# Altium PCB Main_Board.PcbDoc (part 3 of 3)
Units mil, origin at the board's own origin, x right, y up, seen from the top; angles counter-clockwise.
Board outline 5511.81 x 7874.02 mil, 2 copper layers (Top Layer, Bottom Layer); 358 components, 312 nets, 1221 pads, 226 vias.
Unrouted connection lines stored in the file: 6.
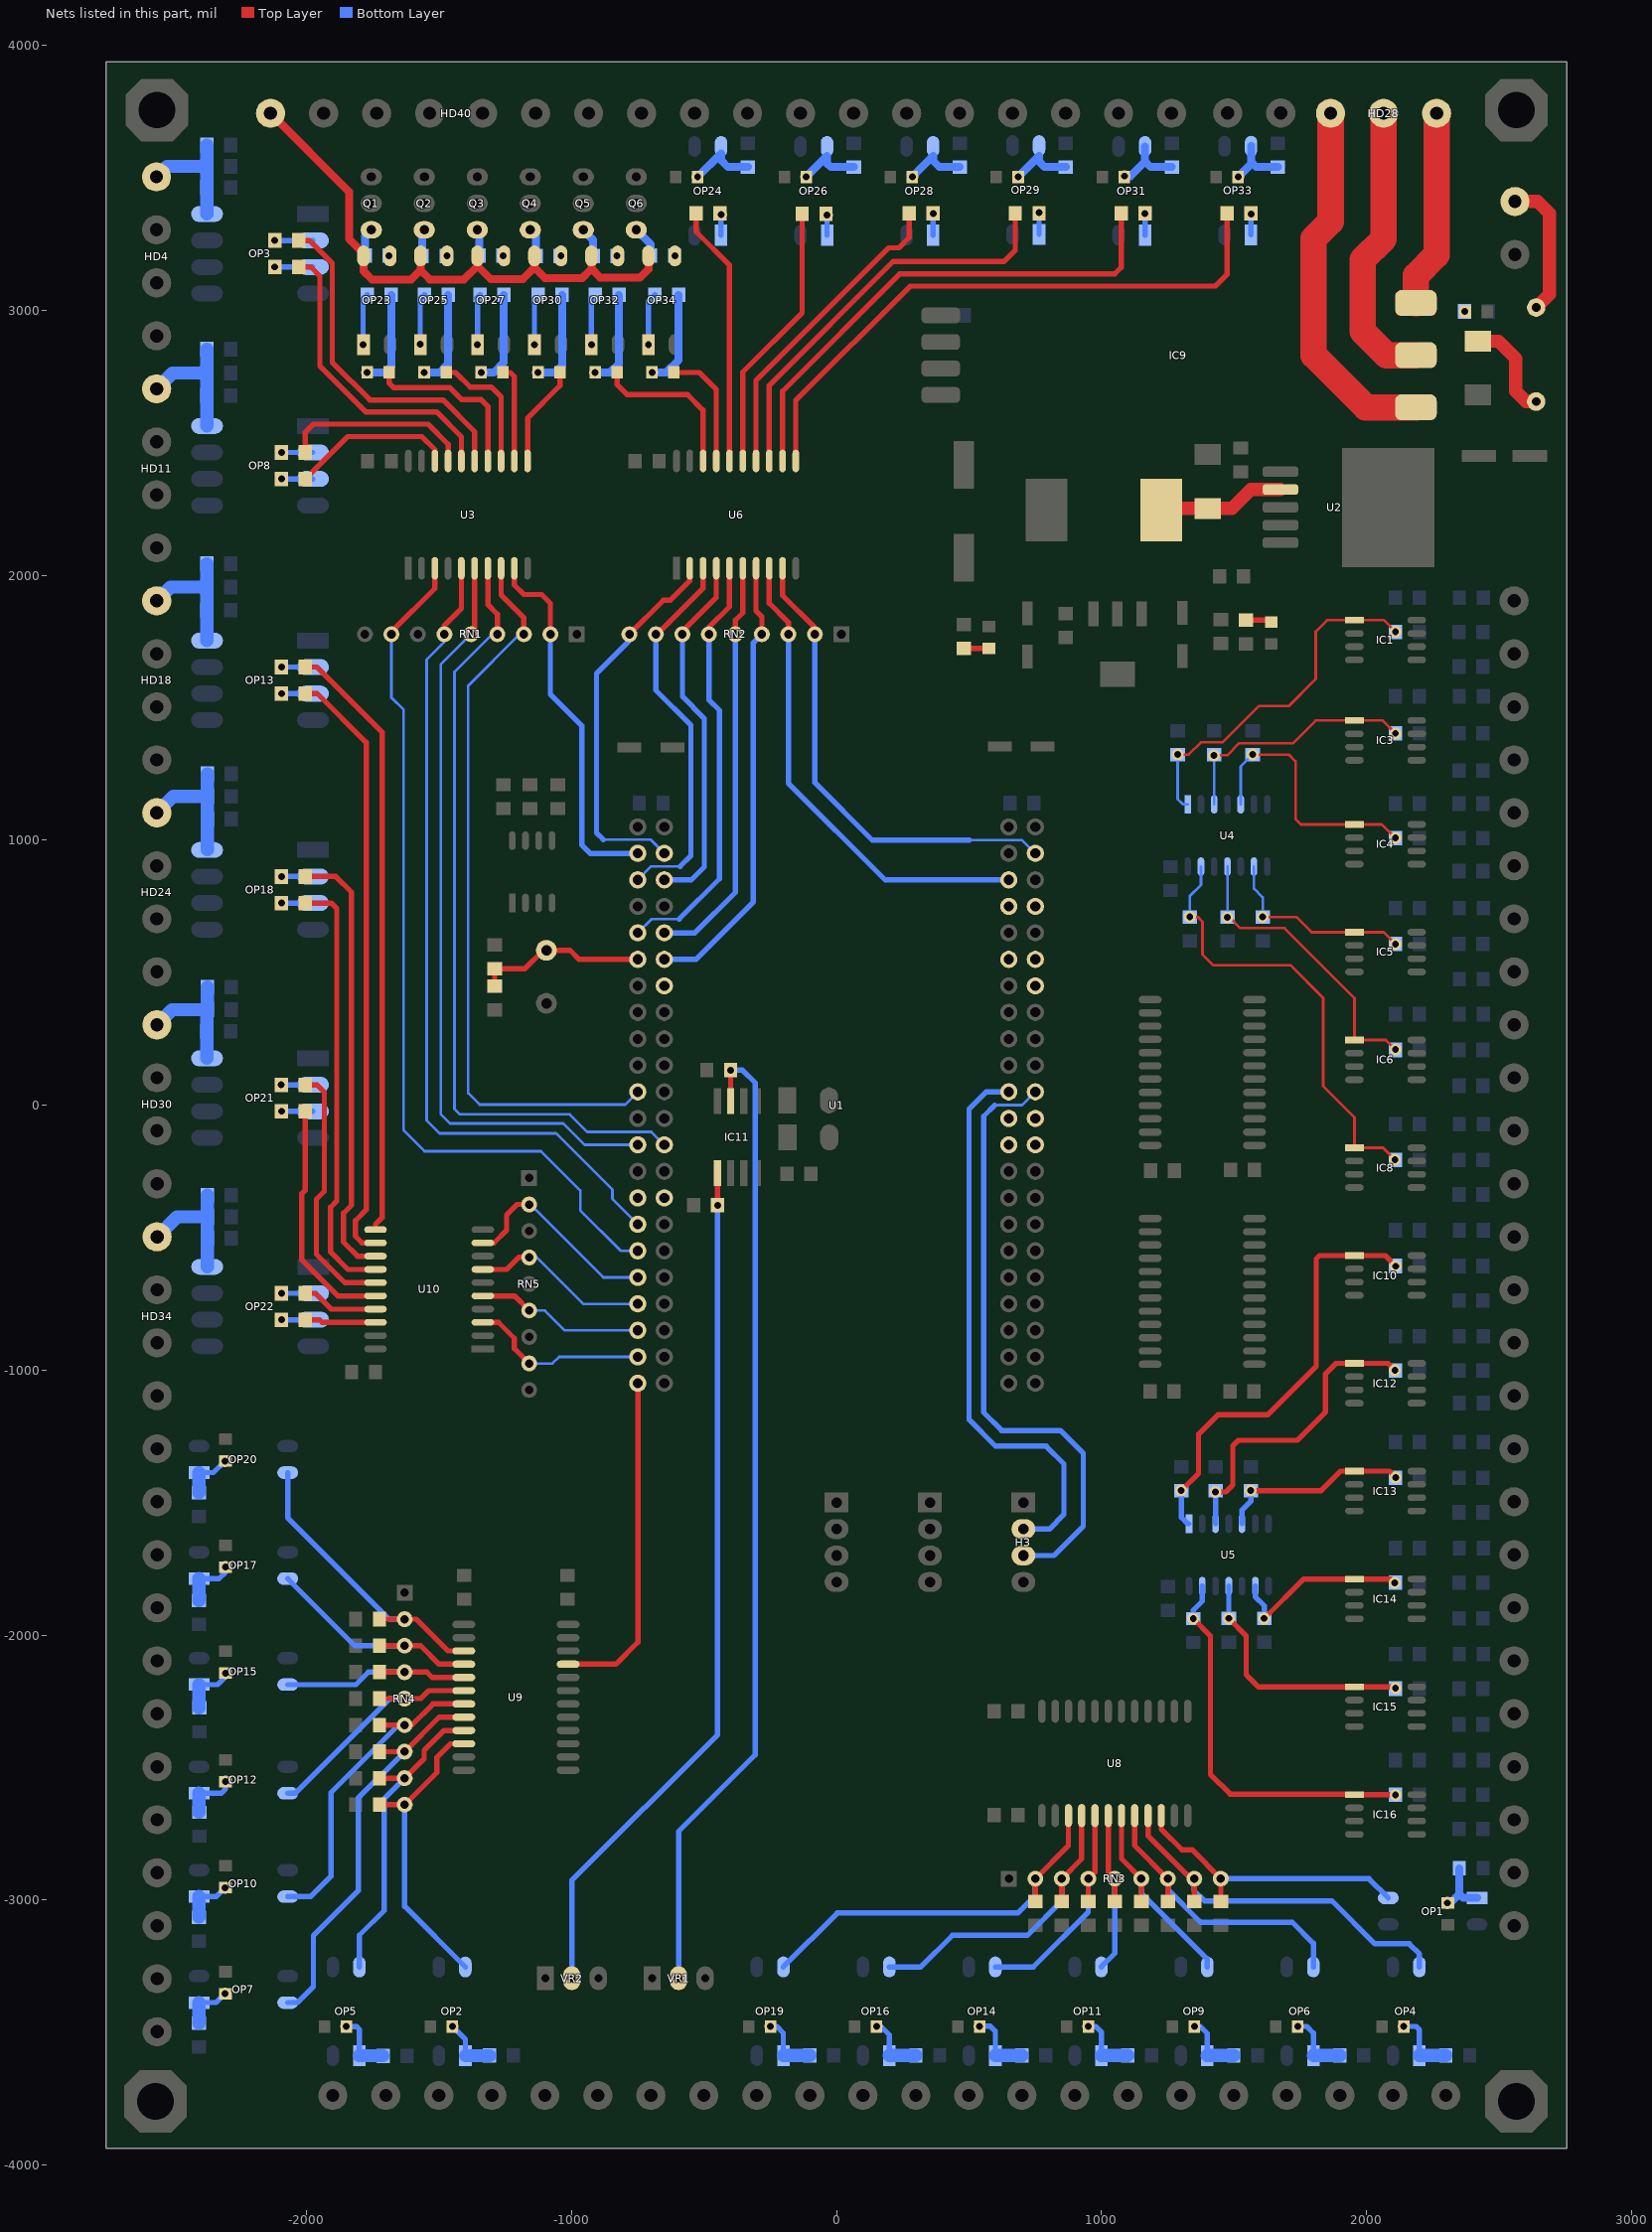
[diagram p3: the nets of this part, all layers, seen from the top]

## Via types
v1: diameter 45, hole 26, Top Layer to Bottom Layer, 226 vias

## Nets (pads, with @x,y where several pads share a name; then routed paths per layer and width w, separated by ;. In a path a pad name is that pad's centre, name@x,y a point inside that pad or via, vN(x,y) a via of type N, cw(c..) or ccw(c..) an arc to the next point about the centre after c; other vN are vias at no path point) (continued)
IN_15: U1.22 U9.21 | length 1274.5
  Top Layer w20: U9.21@-1013.15,-2110 -833,-2110 -750,-2027 U1.22@-750,-1050
NetC71_2: C71.2 IC11.3 VR1.2 | length 3728.8
  Top Layer w20: IC11.3@-400,14.83 v1(-400,132)
  Bottom Layer w20: VR1.2@-596,-3295 -596,-2741 -307,-2452 -307,84 -355,132 v1(-400,132)
NetC81_2: C81.2 IC11.5 VR2.2 | length 3265
  Top Layer w20: C81.2@-450,-372 IC11.5@-450,-256.83 ; v1(-449,-378) C81.2@-449,-373
  Bottom Layer w20: VR2.2@-999,-3295 -999,-2926 -449,-2376 v1(-449,-378)
NetD1_1: D1.1 F1.2 | length 386.5
  Top Layer w50: D1.1@2420.01,2882.99 2497.01,2882.99 2562.5,2817.5 2562.5,2694.5 2602,2655 F1.2@2640,2655
NetD2_2: D2.2 OP1.1 R1.1 | length 228.9
  Bottom Layer w30: v1(2305,-3011) 2316,-3011 2350,-2977 ; R1.1@2350,-2880 2350,-2977 ; OP1.1@2416.59,-2992.01 2365.01,-2992.01 2350,-2977
NetD3_2: D3.2 OP2.1 R2.1 | length 220.7
  Bottom Layer w20: v1(-1449.57,-3477.4) -1400.91,-3526.06 OP2.1@-1400.91,-3587.4
  Bottom Layer w50: OP2.1@-1400.91,-3587.4 R2.1@-1310.4,-3587.4
NetD4_1: D4.1 L1.1 U2.2 | length 472.4
  Top Layer w50: L1.1@1232.01,2252.01 D4.1@1399.99,2252.01 1492.01,2252.01 1563.07,2323.07 U2.2@1675,2323.07
NetD5_2: D5.2 OP4.1 R9.1 | length 261
  Bottom Layer w20: v1(2140.43,-3477.01) 2186.01,-3477.01 2199.09,-3490.09 OP4.1@2199.09,-3587.01
  Bottom Layer w50: OP4.1@2199.09,-3587.01 R9.1@2299.1,-3587.01
NetD6_2: D6.2 OP5.1 R10.1 | length 243.4
  Top Layer w20: v1(-1850.4,-3477.4) D6.2@-1849.57,-3477.4
  Bottom Layer w20: v1(-1850.4,-3477.4) -1811.6,-3477.4 -1800.91,-3488.09 OP5.1@-1800.91,-3587.4
  Bottom Layer w50: OP5.1@-1800.91,-3587.4 R10.1@-1711.6,-3587.4
NetD7_1: D7.1 R11.2 | length 95
  Top Layer w20: R11.2@480,1723.66 D7.1@575,1723.66
NetD8_1: D8.1 R12.2
  other v1: 2370,2995
NetD9_1: D9.1 R13.2 | length 87.7
  Top Layer w20: R13.2@1545,1830 D9.1@1632.68,1830
NetD10_2: D10.2 OP6.1 R15.1 | length 254
  Bottom Layer w20: v1(1740.43,-3477.01) 1774.01,-3477.01 1799.09,-3502.09 OP6.1@1799.09,-3587.01
  Bottom Layer w50: OP6.1@1799.09,-3587.01 R15.1@1899.09,-3587.01
NetD11_2: D11.2 OP7.1 R16.1 | length 191
  Top Layer w20: v1(-2308.65,-3353.35) D11.2@-2305.91,-3353.35
  Bottom Layer w20: OP7.1@-2406,-3387.1 -2342.41,-3387.1 v1(-2308.65,-3353.35)
  Bottom Layer w50: R16.1@-2406,-3464 OP7.1@-2406,-3387.1
NetD12_2: D12.2 OP9.1 R23.1 | length 242.8
  Bottom Layer w20: v1(1350.43,-3477.01) 1372.01,-3477.01 1399.09,-3504.09 OP9.1@1399.09,-3587.01
  Bottom Layer w50: OP9.1@1399.09,-3587.01 R23.1@1499.1,-3587.01
NetD13_2: D13.2 OP10.1 R24.1 | length 190.8
  Top Layer w20: v1(-2307.35,-2953.35) D13.2@-2305.91,-2953.35
  Bottom Layer w20: OP10.1@-2405.91,-2987.01 -2341.01,-2987.01 v1(-2307.35,-2953.35)
  Bottom Layer w50: R24.1@-2405.91,-3063.91 OP10.1@-2405.91,-2987.01
NetD14_2: D14.2 OP11.1 R27.1 | length 246.3
  Bottom Layer w20: v1(950.43,-3477.01) 978.01,-3477.01 999.09,-3498.09 OP11.1@999.09,-3587.01
  Bottom Layer w50: OP11.1@999.09,-3587.01 R27.1@1099.1,-3587.01
NetD15_2: D15.2 OP12.1 R28.1 | length 205.3
  Bottom Layer w20: OP12.1@-2405.91,-2597.01 -2322.01,-2597.01 -2305.91,-2580.91 v1(-2305.91,-2553.35)
  Bottom Layer w50: R28.1@-2405.91,-2668.09 OP12.1@-2405.91,-2597.01
NetD16_2: D16.2 OP14.1 R33.1 | length 260.9
  Top Layer w20: v1(539.43,-3476) D16.2@540.43,-3477.01
  Bottom Layer w20: v1(539.43,-3476) 580,-3476 599.09,-3495.09 OP14.1@599.09,-3587.01
  Bottom Layer w50: OP14.1@599.09,-3587.01 R33.1@699.09,-3587.01
NetD17_2: D17.2 OP15.1 R35.1 | length 213.1
  Bottom Layer w20: OP15.1@-2405.91,-2187.01 -2336.01,-2187.01 -2305.91,-2156.91 v1(-2305.91,-2143.35)
  Bottom Layer w50: R35.1@-2405.91,-2274.09 OP15.1@-2405.91,-2187.01
NetD18_2: D18.2 OP16.1 R41.1 | length 239.9
  Bottom Layer w20: v1(150.43,-3477.01) 167.01,-3477.01 199.09,-3509.09 OP16.1@199.09,-3587.01
  Bottom Layer w50: OP16.1@199.09,-3587.01 R41.1@299.09,-3587.01
NetD19_2: D19.2 OP17.1 R42.1 | length 212.6
  Bottom Layer w20: OP17.1@-2406,-1787.1 -2330.1,-1787.1 -2305.91,-1762.91 v1(-2305.91,-1743.35)
  Bottom Layer w50: R42.1@-2406,-1870 OP17.1@-2406,-1787.1
NetD20_2: D20.2 OP19.1 R47.1 | length 244
  Bottom Layer w20: v1(-249.57,-3477.01) -225.99,-3477.01 -200.91,-3502.09 OP19.1@-200.91,-3587.01
  Bottom Layer w50: OP19.1@-200.91,-3587.01 R47.1@-100.91,-3587.01
NetD21_2: D21.2 OP20.1 R48.1 | length 192
  Bottom Layer w20: OP20.1@-2405.91,-1387.01 -2352.01,-1387.01 v1(-2308,-1343)
  Bottom Layer w50: R48.1@-2406,-1463 OP20.1@-2406,-1387.1
NetD24_2: D24.2 R64.2 | length 370.5
  Bottom Layer w30: v1(-1771.34,2765) -1703,2765 -1680.91,2787.09 R64.2@-1680.91,3057.99
NetD25_2: D25.2 OP24.4 R67.1 | length 262.8
  Bottom Layer w30: v1(-524.57,3502.99) -435.91,3591.65 -435.91,3565.91 -410,3540 R67.1@-335,3540
NetD26_2: D26.2 R70.2 | length 365.2
  Bottom Layer w30: v1(-1556.34,2765) -1497,2765 -1465.91,2796.09 R70.2@-1465.91,3057.99
NetD27_2: D27.2 OP26.4 R72.1 | length 245.7
  Bottom Layer w30: v1(-114.57,3502.99) -35.91,3581.65 -35.91,3553.91 -22,3540 R72.1@65,3540
NetD28_2: D28.2 R75.2 | length 356.7
  Bottom Layer w30: v1(-1341.34,2765) -1293,2765 -1255.91,2802.09 R75.2@-1255.91,3057.99
NetD29_2: D29.2 OP28.4 R77.1 | length 239.8
  Bottom Layer w30: v1(285.43,3502.99) 364.09,3581.65 364.09,3563.91 388,3540 R77.1@465,3540
NetD30_2: D30.2 R83.2 | length 367.6
  Bottom Layer w30: v1(-1126.34,2765) -1063,2765 -1035.91,2792.09 R83.2@-1035.91,3057.99
NetD31_2: D31.2 OP29.4 R82.1 | length 241.6
  Bottom Layer w30: v1(685.43,3502.99) 764.09,3581.65 764.09,3560.91 785,3540 R82.1@865,3540
NetD32_2: D32.2 R88.2 | length 363.5
  Bottom Layer w30: v1(-911.34,2765) -855,2765 -820.91,2799.09 R88.2@-820.91,3057.99
NetD33_2: D33.2 OP31.4 R87.1 | length 266.1
  Bottom Layer w30: v1(1087,3506) 1109.19,3506 1164.09,3560.91 ; OP31.4@1164.09,3617.64 1164.09,3560.91 ; R87.1@1265,3540 1185,3540 1164.09,3560.91
NetD34_2: D34.2 R93.2 | length 365.8
  Bottom Layer w30: v1(-696.34,2765) -643,2765 -595.91,2812.09 R93.2@-595.91,3057.99
NetD35_2: D35.2 OP33.4 R92.1 | length 236.6
  Bottom Layer w30: v1(1515.43,3502.99) 1564.09,3551.65 ; OP33.4@1564.09,3618.64 1564.09,3560 1584.09,3540 R92.1@1665,3540
NetF1_1: F1.1 HD3.2 | length 524.4
  Top Layer w50: HD3.2@2560,3410 2645,3410 2690,3365 2690,3060 F1.1@2640,3010
NetOP3_2: OP3.2 R5.2 | length 144.1
  Bottom Layer w20: v1(-2119.99,3263) OP3.2@-1975.91,3262.99
NetOP3_3: OP3.3 R6.2 | length 144.1
  Bottom Layer w20: v1(-2120,3162.99) OP3.3@-1975.91,3162.99
NetOP8_2: OP8.2 R19.2 | length 119.1
  Bottom Layer w20: v1(-2095,2462.99) OP8.2@-1975.91,2462.99
NetOP8_3: OP8.3 R21.2 | length 119.1
  Bottom Layer w20: v1(-2095,2362.99) OP8.3@-1975.91,2362.99
NetOP13_2: OP13.2 R32.2 | length 119.1
  Bottom Layer w20: v1(-2095,1652.99) OP13.2@-1975.91,1652.99
NetOP13_3: OP13.3 R34.2 | length 119.1
  Bottom Layer w20: v1(-2095,1552.99) OP13.3@-1975.91,1552.99
NetOP18_2: OP18.2 R45.2 | length 119.1
  Bottom Layer w20: v1(-2095,862.61) OP18.2@-1975.91,862.61
NetOP18_3: OP18.3 R46.2 | length 119.1
  Bottom Layer w20: v1(-2095,762.61) OP18.3@-1975.91,762.61
NetOP21_2: OP21.2 R54.2 | length 120.3
  Top Layer w20: v1(-2095.61,76.61) R54.2@-2095,76.61
  Bottom Layer w20: v1(-2095.61,76.61) OP21.2@-1975.91,76.61
NetOP21_3: OP21.3 R56.2 | length 119.1
  Bottom Layer w20: v1(-2095,-23.39) OP21.3@-1975.91,-23.39
NetOP22_2: OP22.2 R61.2 | length 120
  Bottom Layer w20: v1(-2095,-710) OP22.2@-1975,-710
NetOP22_3: OP22.3 R63.2 | length 120
  Bottom Layer w20: v1(-2095,-810) OP22.3@-1975,-810
NetOP23_1: OP23.1 R64.1 | length 195.7
  Bottom Layer w20: v1(-1787,2869) -1787,3041.9 R64.1@-1770.91,3057.99
NetOP23_3: OP23.3 R68.1 | length 1.9
  Top Layer w30: v1(-1688.66,3205.99) OP23.3@-1687.31,3204.65
NetOP24_1: OP24.1 R66.1 | length 77
  Bottom Layer w20: v1(-436,3360) -435.91,3359.91 OP24.1@-435.91,3282.99
NetOP25_1: OP25.1 R70.1 | length 193.2
  Bottom Layer w20: v1(-1571,2871) -1571,3042.9 R70.1@-1555.91,3057.99
NetOP25_3: OP25.3 R74.1
  other v1: -1470,3204.65
NetOP26_1: OP26.1 R71.1 | length 75.9
  Bottom Layer w20: OP26.1@-35.91,3282.99 v1(-35.91,3358.9)
NetOP27_1: OP27.1 R75.1 | length 194.2
  Bottom Layer w20: v1(-1355,2870) -1355,3042.9 -1358,3045.9 R75.1@-1345.91,3057.99
NetOP27_3: OP27.3 R79.1
  other v1: -1258.66,3205.99
NetOP28_1: OP28.1 R76.1 | length 82.1
  Bottom Layer w20: OP28.1@364.09,3282.99 v1(364.09,3365.09)
NetOP29_1: OP29.1 R81.1 | length 82
  Bottom Layer w20: v1(764,3368) 764.09,3367.91 OP29.1@764.09,3285.99
NetOP30_1: OP30.1 R83.1 | length 173.9
  Bottom Layer w20: v1(-1140,2870) R83.1@-1140,3043.9
NetOP30_3: OP30.3 R84.1
  other v1: -1040,3204.65
NetOP31_1: OP31.1 R86.1 | length 82.1
  Bottom Layer w20: OP31.1@1164.09,3282.99 v1(1164.09,3365.09)
NetOP32_1: OP32.1 R88.1 | length 173.9
  Bottom Layer w20: v1(-925,2870) R88.1@-925,3043.9
NetOP32_3: OP32.3 R89.1
  other v1: -828.66,3204.65
NetOP33_1: OP33.1 R91.1 | length 79
  Bottom Layer w20: v1(1564,3363) 1564.09,3362.91 OP33.1@1564.09,3283.99
NetOP34_1: OP34.1 R93.1 | length 198.1
  Bottom Layer w20: v1(-710,2870) -710,3033.9 R93.1@-685.91,3057.99 R93.1@-686.01,3057.99
NetOP34_3: OP34.3 R94.1
  other v1: -610,3204.65
NetQ1_3: Q1.3 R68.2 | length 106.4
  Bottom Layer w30: R68.2@-1778.66,3205.99 -1778.66,3280.24 Q1.3@-1755.91,3302.99
NetQ2_3: Q2.3 R74.2 | length 101.6
  Bottom Layer w30: R74.2@-1563.66,3204.65 -1563.66,3295.24 Q2.3@-1555.91,3302.99
NetQ3_3: Q3.3 R79.2 | length 100
  Bottom Layer w30: Q3.3@-1355.91,3302.99 -1348.66,3295.74 R79.2@-1348.66,3205.99
NetQ4_3: Q4.3 R84.2 | length 107.6
  Bottom Layer w30: Q4.3@-1155.91,3302.99 -1133.66,3280.75 R84.2@-1133.66,3204.65
NetQ5_3: Q5.3 R89.2 | length 113.8
  Bottom Layer w30: Q5.3@-955.91,3302.99 -918.66,3265.75 R89.2@-918.66,3204.65
NetQ6_3: Q6.3 R94.2 | length 119.4
  Bottom Layer w30: Q6.3@-755.91,3302.99 -701.91,3248.99 R94.2@-701.91,3205.99
NRST: C33.1 R26.2 S1.2 U1.6 | length 648.1
  Top Layer w20: C33.1@-1290,449 R26.2@-1290,514 -1177,514 -1107,584 S1.2@-1095,584 -1005,584 -971,550 U1.6@-750,550
O_DIR_0: R6.1 U3.16 | length 1169.7
  Top Layer w20: R6.1@-2030,3162.99 -1983.99,3162.99 -1950,3129 -1950,2789 -1777,2616 -1510,2616 -1416,2522 U3.16@-1416,2431
O_DIR_1: R21.1 U3.18 | length 618.6
  Top Layer w20: R21.1@-2005,2362.99 -1844.99,2523 -1565,2523 -1516,2474 U3.18@-1516,2431
O_DIR_2: R34.1 U10.12 | length 2273.6
  Top Layer w20: R34.1@-2005,1552.99 -1958.99,1552.99 -1775,1369 -1775,-395 -1816,-436 -1816,-495 -1791,-520 U10.12@-1740,-520
O_DIR_3: R46.1 U10.14 | length 1630
  Top Layer w20: R46.1@-2005,762.61 -1906.61,762.61 -1886,742 -1886,-362 -1909,-385 -1909,-555 -1844,-620 U10.14@-1740,-620
O_DIR_4: R56.1 U10.16 | length 900.3
  Top Layer w20: R56.1@-2005,-23.39 -2005,-321 -2018,-334 -2018,-584 -1882,-720 U10.16@-1740,-720
O_DIR_5: R63.1 U10.18 | length 269.1
  Top Layer w20: R63.1@-2005,-810 -1951,-810 -1941,-820 U10.18@-1740,-820
O_ENC_A0: C7.1 IC1.1 R3.2 U4.1 | length 1369
  Top Layer w10: v1(1287,1323) 1329,1323 1375,1369 1456,1369 1593,1506 1706,1506 1808,1608 1808,1787 1851,1830 IC1.1@1954.09,1830 2066,1830 v1(2109,1787)
  Bottom Layer w10: v1(1287,1323) 1287,1155 1307,1135 U4.1@1325,1135
O_ENC_A1: C27.1 IC4.1 R20.2 U4.5 | length 1003.8
  Top Layer w10: v1(1570,1323) 1706,1323 1732,1297 1732,1079 1751.64,1059.35 IC4.1@1954.09,1059.35 2057.64,1059.35 v1(2109,1008)
  Bottom Layer w10: U4.5@1525,1135 1525,1278 v1(1570,1323)
O_ENC_A2: C46.1 IC6.1 R37.2 U4.11 | length 1124.9
  Top Layer w10: v1(1475,708) 1484,708 1524,668 1690,668 1954.09,403.91 IC6.1@1954.09,245.72 2073.28,245.72 v1(2109,210)
  Bottom Layer w10: v1(1475,708) C46.1@1475,710 U4.11@1475,900
O_ENC_A3: C63.1 IC10.1 R51.2 U5.1 | length 1657.5
  Top Layer w20: v1(1301,-1455) 1366,-1390 1366,-1242 1439,-1169 1627,-1169 1810,-986 1810,-580 1822.08,-567.92 IC10.1@1954.09,-567.92 2069.92,-567.92 v1(2110,-608)
  Bottom Layer w20: v1(1301,-1455) 1301,-1556 1325,-1580 U5.1@1330,-1580
O_ENC_A4: C87.1 IC13.1 R59.2 U5.5 | length 725.8
  Top Layer w20: v1(1563,-1455) 1829,-1455 1902.45,-1381.55 IC13.1@1954.09,-1381.55 2086.55,-1381.55 v1(2110,-1405)
  Bottom Layer w20: U5.5@1530,-1580 1530,-1528 1563,-1495 v1(1563,-1455)
O_ENC_A5: C96.1 IC15.1 R78.2 U5.11 | length 946
  Top Layer w20: v1(1480,-1937.01) 1546,-2003.01 1546,-2150 1591.19,-2195.19 IC15.1@1954.09,-2195.19 2104.19,-2195.19 v1(2109,-2200)
  Bottom Layer w20: v1(1480,-1937.01) U5.11@1480,-1815
O_ENC_B0: C20.1 IC3.1 R14.2 U4.3 | length 944.3
  Top Layer w10: v1(1424,1320) 1474,1320 1520,1366 1723,1366 1808.17,1451.17 IC3.1@1954.09,1451.17 2060.83,1451.17 v1(2109,1403)
  Bottom Layer w10: U4.3@1425,1135 C20.1@1425,1320
O_ENC_B1: C39.1 IC5.1 R29.2 U4.9 | length 746.9
  Top Layer w10: v1(1608,710) 1735,710 1792.46,652.54 IC5.1@1954.09,652.54 2064.46,652.54 v1(2109,608)
  Bottom Layer w10: U4.9@1575,900 1575,817 1608,784 v1(1608,710)
O_ENC_B2: C54.1 IC8.1 R43.2 U4.13 | length 1695.3
  Top Layer w10: v1(1333,710) 1363,710 1381,692 1381,568 1421,528 1712,528 1836,404 1836,72 1954.09,-46.09 IC8.1@1954.09,-161.1 2062.1,-161.1 v1(2107,-206)
  Bottom Layer w10: v1(1333,710) 1333,789 1375,831 U4.13@1375,900
O_ENC_B3: C77.1 IC12.1 R55.2 U5.3 | length 1180.9
  Top Layer w20: v1(1429,-1460) 1469,-1460 1495,-1434 1495,-1286 1516,-1265 1738,-1265 1845,-1158 1845,-1014 1884.26,-974.74 IC12.1@1954.09,-974.74 2080.74,-974.74 v1(2107,-1001)
  Bottom Layer w20: U5.3@1430,-1580 C77.1@1430,-1460
O_ENC_B4: C92.1 IC14.1 R69.2 U5.9 | length 695.7
  Top Layer w20: v1(1614,-1937) 1762.63,-1788.37 IC14.1@1954.09,-1788.37 2091.37,-1788.37 v1(2106,-1803)
  Bottom Layer w20: U5.9@1580,-1815 1580,-1855 1614,-1889 v1(1614,-1937)
O_ENC_B5: C100.1 IC16.1 R85.2 U5.13 | length 1453.1
  Top Layer w20: v1(1346,-1938) 1411,-2003 1411,-2526 1485,-2600 IC16.1@1926.1,-2600 ; IC16.1@1954.09,-2602.01 2108.01,-2602.01 v1(2109,-2603)
  Bottom Layer w20: v1(1346,-1938) 1346,-1906 1380,-1872 U5.13@1380,-1815
O_IN_0: C2.2 OP1.4 RN3.9 U8.10 | length 1101.1
  Top Layer w20: U8.10@1225,-2681.18 1225,-2732 1303,-2810 1340.67,-2810 RN3.9@1450,-2919.33 C2.2@1450,-3005
  Bottom Layer w20: RN3.9@1450,-2919.33 2009.27,-2919.33 OP1.4@2081.95,-2992.01
O_IN_1: C12.2 OP4.4 RN3.8 U8.9 | length 1445.8
  Top Layer w20: U8.9@1175,-2681.18 1175,-2757 1337.33,-2919.33 RN3.8@1350,-2919.33 C12.2@1350,-3005
  Bottom Layer w20: RN3.8@1350,-2919.33 1350,-2964 1389,-3003 1869,-3003 2031,-3165 2161,-3165 2199.09,-3203.09 OP4.4@2199.09,-3252.36
O_IN_2: C23.2 OP6.4 RN3.7 U8.8 | length 1138.8
  Top Layer w20: U8.8@1125,-2681.18 1125,-2794.33 RN3.7@1250,-2919.33 C23.2@1250,-3005
  Bottom Layer w20: RN3.7@1250,-2919.33 1250,-2960 1374,-3084 1720,-3084 1799.09,-3163.09 OP6.4@1799.09,-3252.36
O_IN_3: C30.2 OP9.4 RN3.6 U8.7 | length 791.1
  Top Layer w20: U8.7@1075,-2681.18 1075,-2844.33 RN3.6@1150,-2919.33 C30.2@1150,-3005
  Bottom Layer w20: RN3.6@1150,-2919.33 1150,-2974 1399.09,-3223.09 OP9.4@1399.09,-3252.36
O_IN_4: C35.2 OP11.4 RN3.5 U8.6 | length 688.3
  Top Layer w20: U8.6@1025,-2681.18 1025,-2894.33 RN3.5@1050,-2919.33 C35.2@1050,-3005
  Bottom Layer w20: OP11.4@999.09,-3252.36 1050,-3201.46 RN3.5@1050,-2919.33
O_IN_5: C42.2 OP14.4 RN3.4 U8.5 | length 896.6
  Top Layer w20: C42.2@950,-3005 RN3.4@950,-2919.33 975,-2894.33 U8.5@975,-2681.18
  Bottom Layer w20: OP14.4@599.09,-3252.36 742.64,-3252.36 950,-3045 RN3.4@950,-2919.33
O_IN_6: C49.2 OP16.4 RN3.3 U8.4 | length 1192.7
  Top Layer w20: C49.2@850,-3005 RN3.3@850,-2919.33 925,-2844.33 U8.4@925,-2681.18
  Bottom Layer w20: OP16.4@199.09,-3252.36 317.64,-3252.36 437,-3133 720,-3133 850,-3003 RN3.3@850,-2919.33
O_IN_7: C58.2 OP19.4 RN3.2 U8.3 | length 1501.2
  Top Layer w20: C58.2@750,-3005 RN3.2@750,-2919.33 875,-2794.33 U8.3@875,-2681.18
  Bottom Layer w20: OP19.4@-200.91,-3252.36 2.46,-3049 683,-3049 750,-2982 RN3.2@750,-2919.33
O_IN_8: C3.2 OP2.4 RN4.9 U9.10 | length 1154.5
  Top Layer w20: C3.2@-1725,-2640 RN4.9@-1630,-2640 -1508,-2518 -1508,-2461 -1457,-2410 U9.10@-1406.85,-2410
  Bottom Layer w20: RN4.9@-1630,-2640 -1630,-3023.66 OP2.4@-1400.91,-3252.76
O_IN_9: C13.2 OP5.4 RN4.8 U9.9 | length 1194.4
  Top Layer w20: C13.2@-1725,-2540 RN4.8@-1630,-2540 -1556,-2466 -1556,-2435 -1481,-2360 U9.9@-1406.85,-2360
  Bottom Layer w20: OP5.4@-1800.91,-3252.76 -1800.91,-3132.91 -1707,-3039 -1707,-2617 RN4.8@-1630,-2540
O_IN_10: C24.2 OP7.4 RN4.7 U9.8 | length 1523.6
  Top Layer w20: C24.2@-1725,-2440 RN4.7@-1630,-2440 -1500,-2310 U9.8@-1406.85,-2310
  Bottom Layer w20: OP7.4@-2071.26,-3387.01 -2034.01,-3387.01 -1974,-3327 -1974,-3134 -1805,-2965 -1805,-2615 RN4.7@-1630,-2440
O_IN_11: C31.2 OP10.4 RN4.6 U9.7 | length 1245.1
  Top Layer w20: C31.2@-1725,-2340 RN4.6@-1630,-2340 -1603,-2340 -1523,-2260 U9.7@-1406.85,-2260
  Bottom Layer w20: OP10.4@-2071.26,-2987.01 -1985.01,-2987.01 -1908,-2910 -1908,-2595 -1653,-2340 RN4.6@-1630,-2340
O_IN_12: C36.2 OP12.4 RN4.5 U9.6 | length 919.7
  Top Layer w20: C36.2@-1725,-2240 RN4.5@-1630,-2240 -1569,-2240 -1539,-2210 U9.6@-1406.85,-2210
  Bottom Layer w20: OP12.4@-2071.26,-2597.01 -2043.01,-2597.01 -1686,-2240 RN4.5@-1630,-2240
O_IN_13: C43.2 OP15.4 RN4.4 U9.5 | length 787.2
  Top Layer w20: C43.2@-1725,-2140 RN4.4@-1630,-2140 -1546,-2140 -1526,-2160 U9.5@-1406.85,-2160
  Bottom Layer w20: OP15.4@-2071.26,-2187.01 -1814.01,-2187.01 -1767,-2140 RN4.4@-1630,-2140
O_IN_14: C51.2 OP17.4 RN4.3 U9.4 | length 893.2
  Top Layer w20: C51.2@-1725,-2040 RN4.3@-1630,-2040 -1570,-2040 -1500,-2110 U9.4@-1406.85,-2110
  Bottom Layer w20: OP17.4@-2071.26,-1787.01 -1818.27,-2040 RN4.3@-1630,-2040
O_IN_15: C59.2 OP20.4 RN4.2 U9.3 | length 1138.2
  Top Layer w20: C59.2@-1725,-1940 RN4.2@-1630,-1940 -1586,-1940 -1466,-2060 U9.3@-1406.85,-2060
  Bottom Layer w20: OP20.4@-2071.26,-1387.01 -2071.26,-1557.74 -1689,-1940 RN4.2@-1630,-1940
O_OUT_0: D24.1 U3.14 | length 654.7
  Top Layer w20: D24.1@-1688.66,2765 -1688.66,2725.66 -1670,2707 -1459,2707 -1415,2663 -1342,2663 -1316,2637 U3.14@-1316,2431
O_OUT_1: D26.1 U3.13 | length 487.8
  Top Layer w20: D26.1@-1473.66,2765 -1438,2765 -1383,2710 -1303,2710 -1266,2673 U3.13@-1266,2431
O_OUT_2: D28.1 U3.12 | length 367.3
  Top Layer w20: D28.1@-1258.66,2765 -1232,2765 -1216,2749 U3.12@-1216,2431
O_OUT_3: D30.1 U3.11 | length 384.7
  Top Layer w20: U3.11@-1166,2431 -1166,2593 -1043.66,2715.34 D30.1@-1043.66,2765
O_OUT_4: D32.1 U6.18 | length 602
  Top Layer w20: D32.1@-828.66,2765 -828.66,2719.66 -790,2681 -562,2681 -504,2623 U6.18@-504,2431
O_OUT_5: D34.1 U6.17 | length 456.2
  Top Layer w20: D34.1@-613.66,2765 -518,2765 -454,2701 U6.17@-454,2431
O_OUT_6: R66.2 U6.16 | length 986.2
  Top Layer w20: R66.2@-530,3365 -530,3296 -404,3170 U6.16@-404,2431
O_OUT_7: R71.2 U6.15 | length 1024.8
  Top Layer w20: U6.15@-354,2431 -354,2766 -130,2990 R71.2@-130,3362.99
O_OUT_8: R76.2 U6.14 | length 1196.3
  Top Layer w20: U6.14@-304,2431 -304,2735 196,3235 235,3235 274.09,3274.09 R76.2@274.09,3365
O_OUT_9: R81.2 U6.13 | length 1563.9
  Top Layer w20: U6.13@-254,2431 -254,2716 214,3184 633,3184 674.09,3225.09 R81.2@674.09,3365
O_OUT_10: R86.2 U6.12 | length 1938.5
  Top Layer w20: U6.12@-204,2431 -204,2694 239,3137 1050,3137 1074.09,3161.09 R86.2@1074.09,3365
O_OUT_11: R91.2 U6.11 | length 2283.2
  Top Layer w20: U6.11@-154,2431 -154,2659 278,3091 1430,3091 1474.09,3135.09 R91.2@1474.09,3365
O_PWM_0: R5.1 U3.15 | length 1292.7
  Top Layer w20: R5.1@-2030,3262.99 -1988.99,3262.99 -1903,3177 -1903,2803 -1761,2661 -1485,2661 -1366,2542 U3.15@-1366,2431
O_PWM_1: R19.1 U3.17 | length 722.9
  Top Layer w20: R19.1@-2005,2462.99 -2005,2540 -1975,2570 -1542,2570 -1466,2494 U3.17@-1466,2431
O_PWM_2: R32.1 U10.11 | length 2279.2
  Top Layer w20: R32.1@-2005,1652.99 -1960.99,1652.99 -1715,1407 -1715,-425 -1740,-450 U10.11@-1740,-470
O_PWM_3: R45.1 U10.13 | length 1674.7
  Top Layer w20: R45.1@-2005,862.61 -1889.61,862.61 -1831,804 -1831,-378 -1861,-408 -1861,-517 -1808,-570 U10.13@-1740,-570
O_PWM_4: R54.1 U10.15 | length 975.2
  Top Layer w20: R54.1@-2005,76.61 -1960.61,76.61 -1933,49 -1933,-325 -1963,-355 -1963,-563 -1856,-670 U10.15@-1740,-670
O_PWM_5: R61.1 U10.17 | length 289.9
  Top Layer w20: R61.1@-2005,-710 -1966,-710 -1906,-770 U10.17@-1740,-770
OUT_0: RN1.5 U1.13 U3.6 | length 2904.5
  Top Layer w20: RN1.5@-1380,1777 -1366,1791 U3.6@-1366,2026
  Bottom Layer w10: RN1.5@-1380,1777 -1494,1663 -1494,-33 -1458,-69 -1032,-69 -951,-150 U1.13@-750,-150
OUT_1: RN1.4 U1.32 U3.7 | length 2982.6
  Top Layer w20: U3.7@-1316,2026 -1316,1889 -1280,1853 RN1.4@-1280,1777
  Bottom Layer w10: RN1.4@-1280,1777 -1300,1777 -1442,1635 -1442,-15 -1422,-35 -1007,-35 -941,-101 -699,-101 U1.32@-650,-150
OUT_2: RN1.3 U1.11 U3.8 | length 2790.7
  Top Layer w20: U3.8@-1266,2026 -1266,1925 -1180,1839 RN1.3@-1180,1777
  Bottom Layer w10: RN1.3@-1180,1777 -1196,1777 -1390,1583 -1390,45 -1347,2 -798,2 U1.11@-750,50
OUT_3: RN1.2 U1.2 U3.9 | length 1413.7
  Top Layer w20: U3.9@-1216,2026 -1216,1963 -1180,1927 -1113,1927 -1080,1894 RN1.2@-1080,1777
  Bottom Layer w20: RN1.2@-1080,1777 -1080,1550 -961,1431 -961,981 -930,950 U1.2@-750,950
OUT_4: RN2.9 U1.43 U6.2 | length 1447.3
  Top Layer w20: RN2.9@-781.91,1777 -653.91,1905 -628,1905 -554,1979 U6.2@-554,2026
  Bottom Layer w10: -880.5,1002.5 -702.5,1002.5 U1.43@-650,950
  Bottom Layer w20: -880.5,1002.5 -906,1028 -906,1629 -781.91,1753.09 RN2.9@-781.91,1777
OUT_5: RN2.8 U1.3 U6.3 | length 1449
  Top Layer w20: RN2.8@-677,1777 -504,1950 U6.3@-504,2026
  Bottom Layer w10: U1.3@-750,850 -699,901 -590,901
  Bottom Layer w20: RN2.8@-681.91,1777 -681.91,1565.91 -550,1434 -550,941 -590,901
OUT_6: RN2.7 U1.42 U6.4 | length 1372.2
  Top Layer w20: RN2.7@-581.91,1795.09 -573.91,1795.09 -454,1915 U6.4@-454,2026
  Bottom Layer w20: U1.42@-650,850 -548,850 -499,899 -499,1459 -581.91,1541.91 RN2.7@-581.91,1777
OUT_7: RN2.6 U1.5 U6.5 | length 1613.3
  Top Layer w20: RN2.6@-481.91,1777 -481.91,1803.09 -404,1881 U6.5@-404,2026
  Bottom Layer w10: U1.5@-750,650 -698,702 -594,702
  Bottom Layer w20: -594,702 -442,854 -442,1490 -481.91,1529.91 RN2.6@-481.91,1777
OUT_8: RN2.5 U1.40 U6.6 | length 1566
  Top Layer w20: RN2.5@-381.91,1777 -381.91,1830.09 -354,1858 U6.6@-354,2026
  Bottom Layer w20: U1.40@-650,650 -535,650 -381.91,803.09 RN2.5@-381.91,1777
OUT_9: RN2.4 U1.39 U6.7 | length 1707.3
  Top Layer w20: U6.7@-304,2026 -304,1865 -281.91,1842.91 RN2.4@-281.91,1777
  Bottom Layer w20: U1.39@-650,550 -531,550 -314,767 -314,1744.91 RN2.4@-281.91,1777
OUT_10: RN2.3 U1.47 U6.8 | length 1824
  Top Layer w20: U6.8@-254,2026 -254,1894 -181.91,1821.91 RN2.3@-181.91,1777
  Bottom Layer w20: RN2.3@-181.91,1777 -181.91,1214.91 183,850 U1.47@650,850
OUT_11: RN2.2 U1.87 U6.9 | length 1802.1
  Top Layer w20: U6.9@-204,2026 -204,1923 -81.91,1800.91 RN2.2@-81.91,1777
  Bottom Layer w10: 501,1000 700,1000 U1.87@750,950
  Bottom Layer w20: RN2.2@-81.91,1777 -81.91,1216.91 135,1000 501,1000
P02: U1.15
P03: U1.30
P04: RN1.6 U1.16 U3.5 | length 3118.1
  Top Layer w20: RN1.6@-1480,1777 -1480,1811 -1416,1875 U3.5@-1416,2026
  Bottom Layer w10: RN1.6@-1480,1777 -1480,1748 -1547,1681 -1547,-58 -1498,-107 -1058,-107 -846,-319 -846,-354 U1.16@-750,-450
P06: RN1.8 U1.17 U3.3 | length 3324.4
  Top Layer w20: RN1.8@-1680,1777 -1680,1786 -1516,1950 U3.3@-1516,2026
  Bottom Layer w10: RN1.8@-1680,1777 -1680,1538 -1634,1492 -1634,-95 -1555,-174 -1115,-174 -967,-322 -967,-397 -814,-550 U1.17@-750,-550
P08: RN5.2 U1.18 U10.9 | length 792.9
  Top Layer w20: U10.9@-1335,-520 -1293,-520 -1245,-472 -1245,-414 -1206,-375 RN5.2@-1160,-375
  Bottom Layer w10: RN5.2@-1160,-375 -1155,-375 -880,-650 U1.18@-750,-650
P16: RN5.4 U1.19 U10.7 | length 676.1
  Top Layer w20: U10.7@-1335,-620 -1245,-620 -1200,-575 RN5.4@-1160,-575
  Bottom Layer w10: RN5.4@-1160,-575 -1131,-575 -956,-750 U1.19@-750,-750
P18: RN5.6 U1.20 U10.5 | length 638.8
  Top Layer w20: U10.5@-1335,-720 -1215,-720 RN5.6@-1160,-775
  Bottom Layer w10: RN5.6@-1160,-775 -1100,-775 -1025,-850 U1.20@-750,-850
P20: RN5.8 U1.21 U10.3 | length 682.4
  Top Layer w20: U10.3@-1335,-820 -1276,-820 -1216,-880 -1216,-919 RN5.8@-1160,-975
  Bottom Layer w10: RN5.8@-1160,-975 -1072,-975 -1047,-950 U1.21@-750,-950
PA0: U1.38
PA8: U1.83
PA11: U1.48
PA12: U1.85
PB10: H3.2 U1.55 | length 2142.9
  Bottom Layer w20: U1.55@650,50 565,50 500,-15 500,-1187 600,-1287 791,-1287 858,-1354 858,-1545 803,-1600 H3.2@705,-1600
PB11: H3.3 U1.78 | length 2337.9
  Bottom Layer w10: 597,0 700,0 U1.78@750,50
  Bottom Layer w20: 597,0 555,-42 555,-1160 623,-1228 845,-1228 931,-1314 931,-1589 820,-1700 H3.3@705,-1700
PC8: U1.82
PC9: U1.50
PD0: U1.56
PD1: U1.77
PD2: U1.57
PD3: U1.76
RS485_A+: HD28.1 IC9.7 | length 748.5
  Top Layer w100: IC9.7@2185.91,3026.85 2185.91,3130.91 2264.09,3209.09 HD28.1@2264.09,3742.99
RS485_B-: HD28.2 IC9.6 | length 1093.9
  Top Layer w100: HD28.2@2064.09,3742.99 2064.09,3269.09 1985,3190 1985,2920 2075,2830 IC9.6@2185.91,2830
RS485_G: HD28.3 IC9.5 | length 1407
  Top Layer w100: HD28.3@1864.09,3742.99 1864.09,3334.09 1800,3270 1800,2830 1996.85,2633.15 IC9.5@2185.91,2633.15
VDRIVE: C1.2 C22.2 C34.2 C50.2 C65.2 C84.2 HD4.1 HD11.1 HD18.1 HD24.1 HD30.1 HD34.1 OP3.8 OP8.8 OP13.8 OP18.8 OP21.8 OP22.8 R4.1 R7.1 R18.1 R22.1 R30.1 R36.1 R44.1 R49.1 R53.1 R57.1 R60.1 R65.1 | length 2946.5
  Bottom Layer w50: HD4.1@-2566.3,3502.99 -2526.8,3542.49 R4.1@-2375.91,3542.49 ; HD11.1@-2565.91,2702.99 -2505.91,2762.99 R18.1@-2375.91,2762.99 ; HD18.1@-2565.51,1902.99 -2513.51,1954.99 R30.1@-2375.91,1954.99 ; HD24.1@-2565.12,1102.99 -2503.11,1165 R44.1@-2375,1165 ; HD30.1@-2564.73,302.99 -2507.72,360 R53.1@-2375,360 R57.1@-2375,445 ; HD34.1@-2564.33,-497.01 -2488.83,-421.5 R60.1@-2375,-421.5 ; OP21.8@-2375.91,176.61 C65.2@-2375.91,277.99 R53.1@-2375.91,359.09 ; OP13.8@-2375.91,1752.99 C34.2@-2375.91,1867.99 R30.1@-2375.91,1954.99 ; R36.1@-2375.91,2042.99 R30.1@-2375.91,1954.99 ; OP8.8@-2375.91,2562.99 C22.2@-2375.91,2677.99 R18.1@-2375.91,2762.99 ; R22.1@-2375.91,2852.99 R18.1@-2375.91,2762.99 ; OP3.8@-2375.91,3362.99 C1.2@-2375.91,3462.99 R4.1@-2375.91,3542.49 ; R7.1@-2375.91,3622.99 R4.1@-2375.91,3542.49 ; OP22.8@-2375,-610 C84.2@-2375,-502 R60.1@-2375,-421.5 ; R65.1@-2375,-340 R60.1@-2375,-421.5 ; OP18.8@-2375,963.52 C50.2@-2375,1080 R44.1@-2375,1165 ; R49.1@-2375,1250 R44.1@-2375,1165
VRELAY: HD40.8 OP23.4 OP25.4 OP27.4 OP30.4 OP32.4 OP34.4 | length 2203
  Top Layer w30: HD40.8@-2135.91,3742.99 -1840,3447.09 -1840,3269 -1785,3214 OP23.4@-1785,3204.65 -1785,3147 -1754,3116 -1605,3116 -1570,3151 ; OP25.4@-1570,3204.65 -1570,3151 ; OP27.4@-1355,3204.65 OP27.4@-1355,3167 ; OP30.4@-1140,3204.65 -1140,3161 ; -929,3152 -960,3121 -1100,3121 -1140,3161 ; OP32.4@-925,3204.65 -925,3156 -892,3123 -742,3123 -710,3155 OP34.4@-710,3204.65 ; -1570,3151 -1535,3116 -1406,3116 OP27.4@-1355,3167 ; OP27.4@-1355,3167 -1306,3118 -1183,3118 -1140,3161
pads on no net: Dr1.1 Dr2.1 Dr3.1 Dr4.1 IC1.4 IC3.4 IC4.4 IC5.4 IC6.4 IC8.4 IC10.4 IC12.4 IC13.4 IC14.4 IC15.4 IC16.4 U1.12 U1.52 U7.5 U7.8 U7.16 U7.19 U11.5 U11.8 U11.16 U11.19

## Polygon pours and split planes (outlines as drawn)
GND on Top Layer "Bottom Layer-No Net" (solid, remove dead copper, shelved, pour order 0): -3024,4188 2945,4188 3318,3815 3318,-3812 3003,-4127 -2965,-4127 -3156,-3936 -3156,4085 -3052,4189
GND on Bottom Layer "Bottom Layer-No Net" (solid, remove dead copper, shelved, pour order 2): -2892.91,4213.62 3021.09,4213.62 3419.09,3815.62 3419.09,-3834.38 2999.09,-4254.38 -2727.91,-4254.38 -3301.91,-3680.38 -3301.91,4081.62 -3202.91,4180.62 -3170.91,4212.62 -3035.91,4212.62

## Keep-outs
Keep-Out Layer:
  the board outline again, w7

## Other copper
Top Layer:
  pour cut-out: -616,303 50,303 77,276 77,-388 -69,-534 -69,-2569 -375,-2875 -375,-3840 -432,-3897 -1186,-3897 -1186,-2803 -616,-2233
  pour cut-out: 2756,3941 -2785,3941 -2845,3881 -2845,-3920 -2738,-4027 2807,-4027 2915,-3919 2915,-3548 2778,-3411 -2200,-3411 -2226,-3385 -2226,3308 -2062,3472 2752,3472 2821,3541 2821,3911
  pour cut-out: 277,2622 2303,2622 2303,3473 2755.91,3473 2755.91,2014 1937,2014 1773,1850 1773,1772 1563,1562 308,1562 277,1593
Bottom Layer:
  pour cut-out: 2756,3941 -2785,3941 -2845,3881 -2845,-3920 -2738,-4027 2807,-4027 2915,-3919 2915,-3548 2778,-3411 -2200,-3411 -2226,-3385 -2226,3308 -2062,3472 2752,3472 2821,3541 2821,3911
  pour cut-out: 277,2622 2303,2622 2303,3065 2303,3473 2755.91,3473 2755.91,2014 1937,2014 1773,1850 1773,1772 1563,1562 308,1562 277,1593
  pour cut-out: -616,303 50,303 77,276 77,-388 -69,-534 -69,-2569 -375,-2875 -375,-3840 -432,-3897 -1186,-3897 -1186,-2803 -616,-2233

## Silkscreen, mask and mechanical layers (free items; w line width, h text height)
Top Overlay:
  text "G" at 1835,3480 h60
  text "B-" at 2015,3480 h60
  text "A+" at 2215,3480 h60
  text "V" at -2330,3475 h60
  text "24" at 2250,3380 h60
  text "PUL" at -2330,3280 h60
  text "0" at 2305,3175 h60
  text "DIR" at -2330,3080 h60
  text "0" at -2330,2890 h60
  text "V" at -2330,2670 h60
  text "PUL" at -2330,2475 h60
  text "DIR" at -2330,2275 h60
  text "0" at -2330,2085 h60
  text "V" at -2325,1870 h60
  text "-" at 2280,1827.01 h60
  text "PUL" at -2325,1675 h60
  text "+" at 2280,1627.01 h60
  text "DIR" at -2325,1475 h60
  text "-" at 2280,1455 h60
  text "0" at -2325,1285 h60
  text "+" at 2280,1255 h60
  text "-" at 2280,1070 h60
  text "V" at -2320,1060 h60
  text "+" at 2280,870 h60
  text "PUL" at -2320,865 h60
  text "-" at 2280,670 h60
  text "DIR" at -2320,665 h60
  text "0" at -2320,475 h60
  text "+" at 2280,470 h60
  text "-" at 2280,270 h60
  text "V" at -2320,260 h60
  text "+" at 2280,70 h60
  text "PUL" at -2320,65 h60
  text "-" at 2280,-130 h60
  text "DIR" at -2320,-135 h60
  text "0" at -2320,-325 h60
  text "+" at 2280,-330 h60
  text "-" at 2280,-530 h60
  text "V" at -2320,-540 h60
  text "+" at 2280,-730 h60
  text "PUL" at -2320,-735 h60
  text "-" at 2280,-930 h60
  text "DIR" at -2320,-935 h60
  text "0" at -2320,-1125 h60
  text "+" at 2280,-1130 h60
  text "-" at 2280,-1330 h60
  text "+" at 2280,-1530 h60
  text "-" at 2280,-1730 h60
  text "+" at 2280,-1930 h60
  text "-" at 2280,-2130 h60
  text "+" at 2280,-2330 h60
  text "-" at 2280,-2530 h60
  text "+" at 2280,-2730 h60

## Dimensions
-2755.91,-3937.01 to 2755.91,-3937.01 on Keep-Out Layer
2755.91,-3937.01 to 2755.91,3937.01 on Keep-Out Layer

## Text inside footprints (layer, text, board x,y; h text height)
IC9: Top Overlay "0V" at 492,2663 h40; Top Overlay "RX" at 492,2763.33 h40; Top Overlay "TX" at 492,2863.67 h40; Top Overlay "5V" at 492,2964 h40; Top Overlay "G" at 2006,2610 h40; Top Overlay "B-" at 2006,2811 h40; Top Overlay "A+" at 2006,3012 h40
U2: Top Overlay "1" at 1660,2466 h39.37 r270